# Altium PCB RCJ22_motherboard_2_final.PcbDoc (part 1 of 4) (continued)
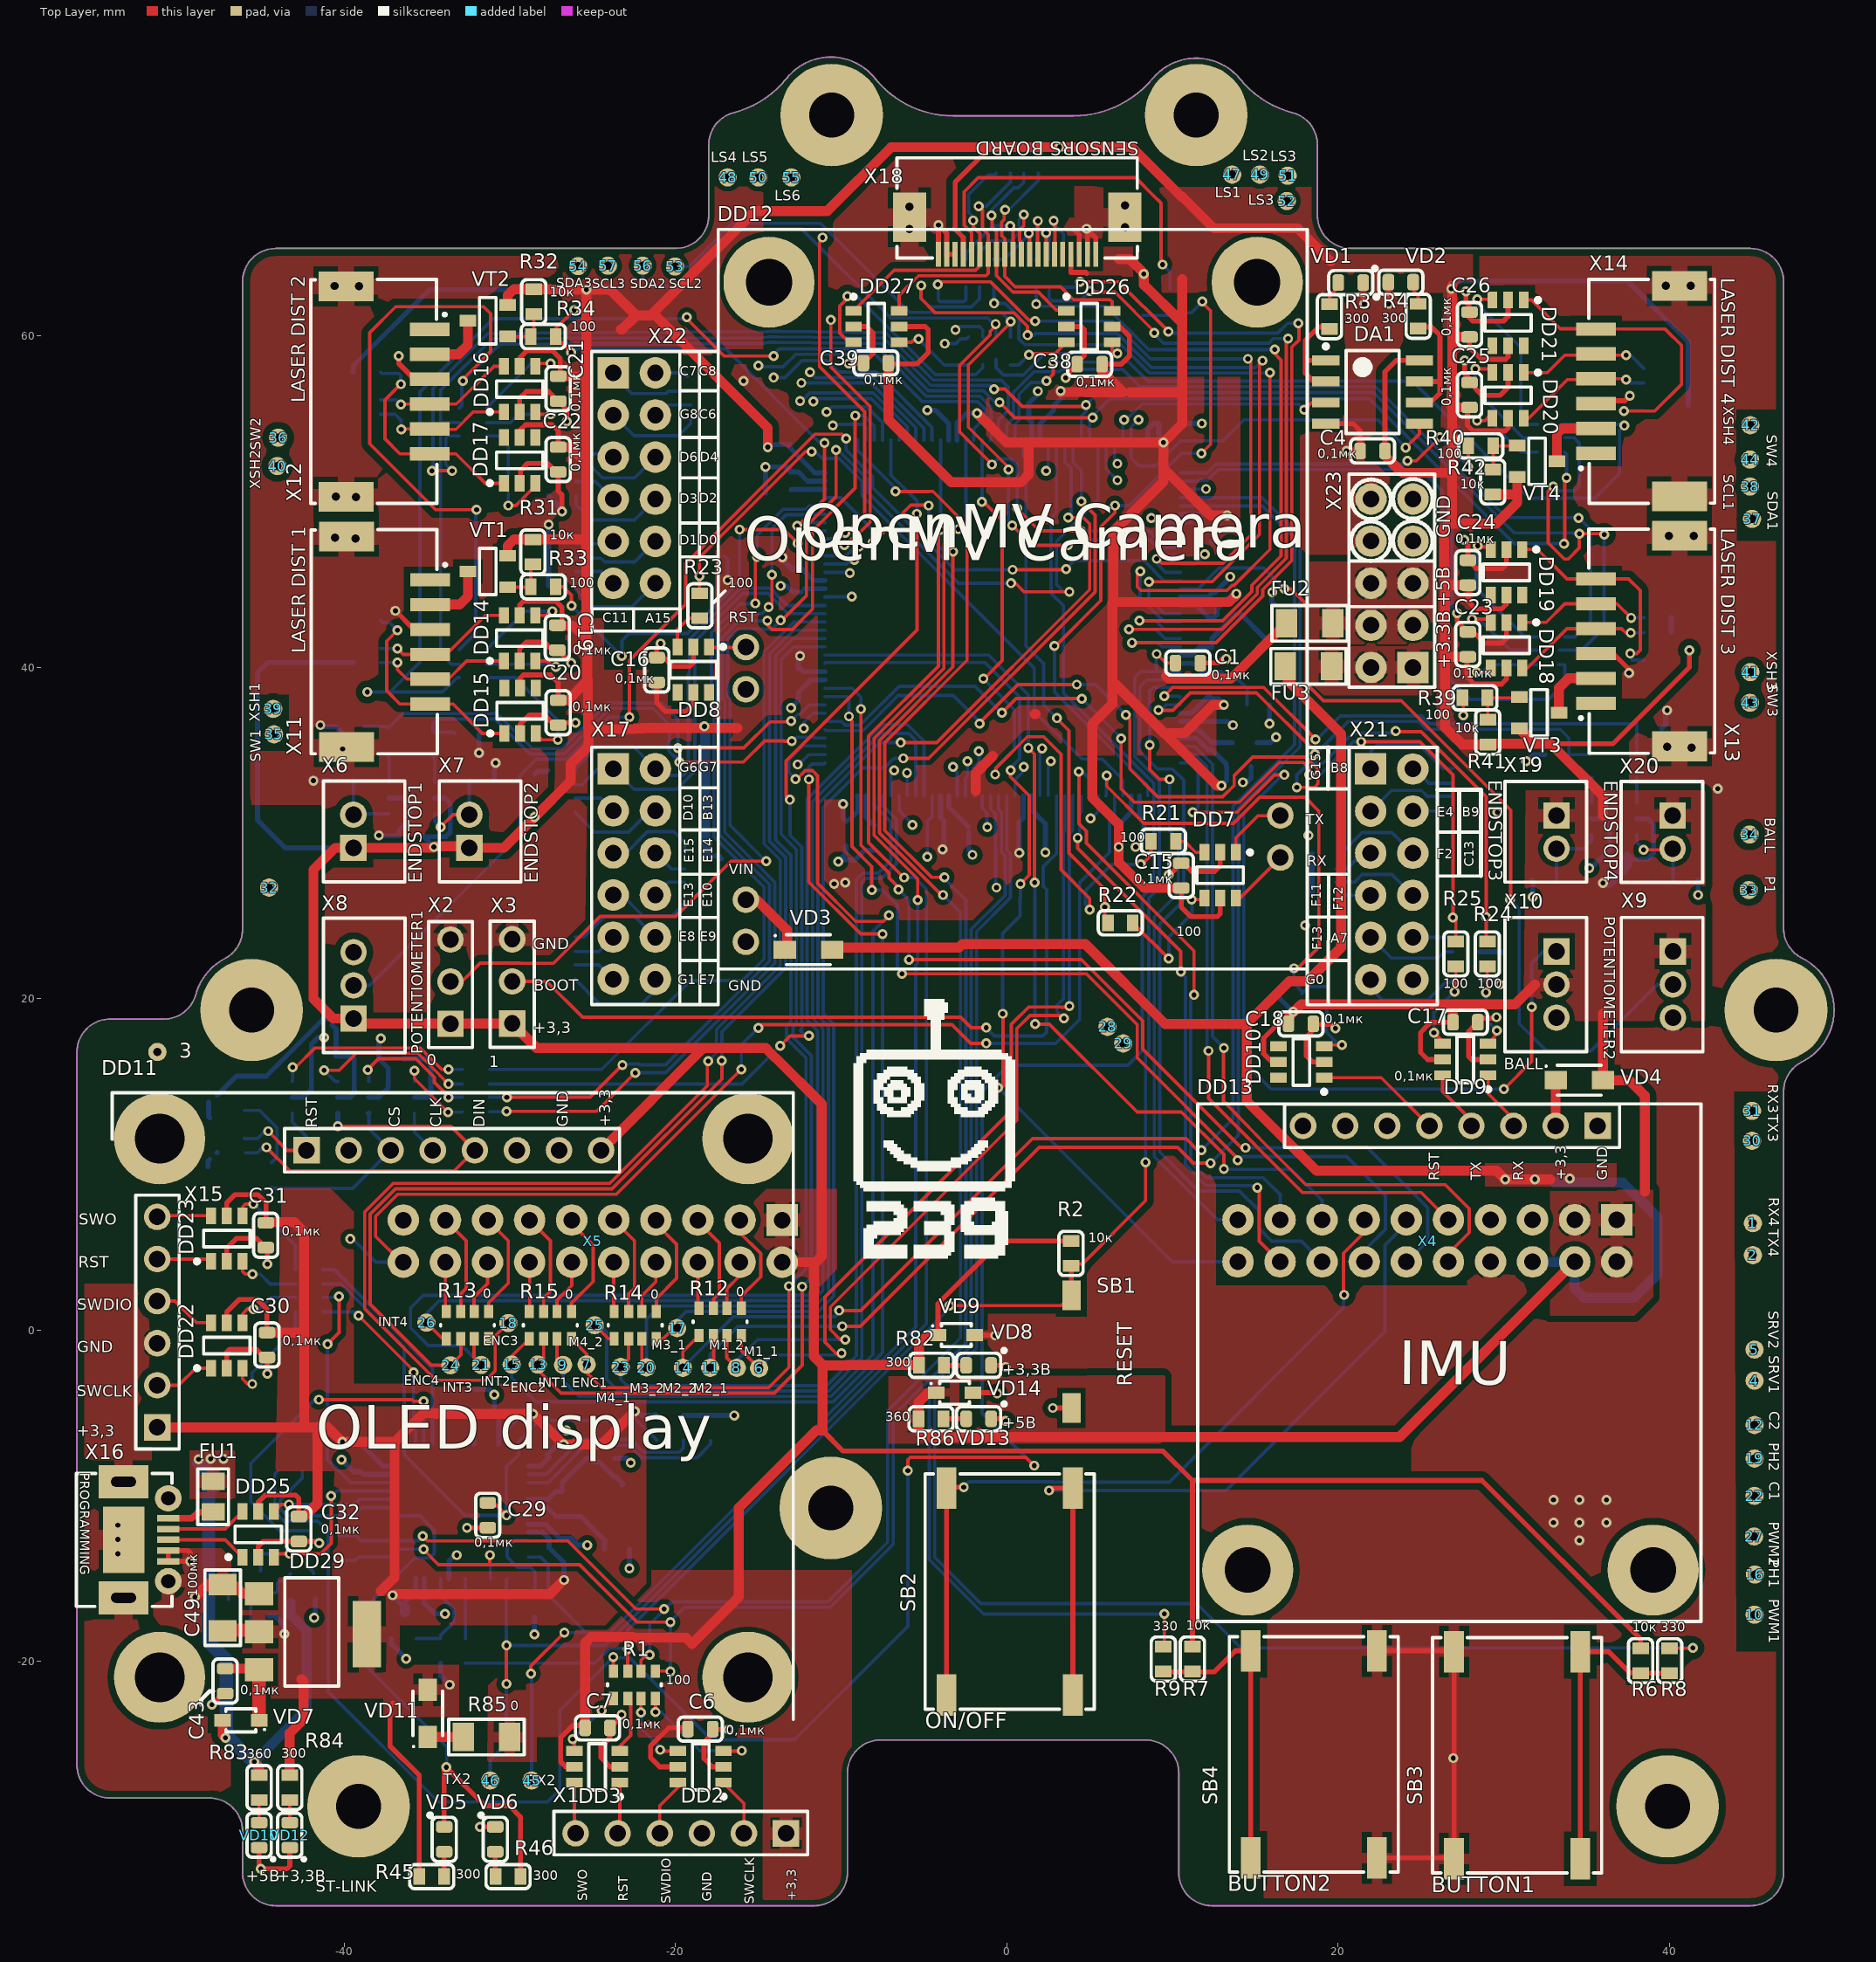
[diagram p0: Top Layer view]
## Components (designator, comment, footprint, x,y, rotation, side; value= is the part's Value field where it differs from the comment)
1 "RX" "0.5 X 1_ROUND" 45.025,6.45 r90 top
2 "TX" "0.5 X 1_ROUND" 45.025,4.525 r90 top
3 "SERVO3" "0.5 X 1_ROUND" -51.263,16.78 r90 top
4 "SERVO1" "0.5 X 1_ROUND" 45.125,-3.05 r90 top
5 "SERVO2" "0.5 X 1_ROUND" 45.125,-1.175 r90 top
6 "1_1" "0.5 X 1_ROUND" -14.95,-2.3 r270 top
7 "E1" "0.5 X 1_ROUND" -25.356,-2.075 r180 top
8 "1_2" "0.5 X 1_ROUND" -16.3,-2.275 r180 top
9 "E1_INT" "0.5 X 1_ROUND" -26.781,-2.1 r180 top
10 "PWM1" "0.5 X 1_ROUND" 45.125,-17.175 r0 top
11 "2_1" "0.5 X 1_ROUND" -17.9,-2.275 r180 top
12 "PWM2" "0.5 X 1_ROUND" 45.125,-5.725 r0 top
13 "E2" "0.5 X 1_ROUND" -28.306,-2.075 r180 top
14 "2_2" "0.5 X 1_ROUND" -19.55,-2.275 r180 top
15 "E2_INT" "0.5 X 1_ROUND" -29.881,-2.075 r180 top
16 "PH1" "0.5 X 1_ROUND" 45.15,-14.75 r90 top
17 "3_1" "0.5 X 1_ROUND" -19.9,0.125 r180 top
18 "E3" "0.5 X 1_ROUND" -30.09,0.425 r180 top
19 "PH2" "0.5 X 1_ROUND" 45.125,-7.75 r90 top
20 "3_2" "0.5 X 1_ROUND" -21.75,-2.25 r180 top
21 "E3_INT" "0.5 X 1_ROUND" -31.725,-2.1 r180 top
22 "CURRENT1" "0.5 X 1_ROUND" 45.125,-10 r90 top
23 "4_1" "0.5 X 1_ROUND" -23.3,-2.225 r180 top
24 "E4" "0.5 X 1_ROUND" -33.575,-2.125 r180 top
25 "4_2" "0.5 X 1_ROUND" -24.875,0.3 r180 top
26 "E4_INT" "0.5 X 1_ROUND" -35.025,0.45 r180 top
27 "CURRENT2" "0.5 X 1_ROUND" 45.1,-12.45 r90 top
28 "RX_CAMERA" "0.5 X 1_ROUND" 6.075,18.3 r0 top
29 "TX_CAMERA" "0.5 X 1_ROUND" 7.025,17.3 r0 top
30 "TX_GYRO" "0.5 X 1_ROUND" 44.975,11.425 r0 top
31 "RX_GYRO" "0.5 X 1_ROUND" 44.975,13.225 r0 top
32 "P1" "0.5 X 1_ROUND" -44.525,26.7 r0 top
33 "P2" "0.5 X 1_ROUND" 44.775,26.55 r0 top
34 "BALL" "0.5 X 1_ROUND" 44.825,29.9 r0 top
35 "SWITCH1" "0.5 X 1_ROUND" -44.225,35.95 r180 top
36 "SWITCH2" "0.5 X 1_ROUND" -43.975,53.849 r180 top
37 "SDA1" "0.5 X 1_ROUND" 44.975,48.944 r90 top
38 "SCL1" "0.5 X 1_ROUND" 44.85,50.9 r90 top
39 "XSH1" "0.5 X 1_ROUND" -44.273,37.483 r180 top
40 "XSH2" "0.5 X 1_ROUND" -44.025,52.135 r180 top
41 "XSH3" "0.5 X 1_ROUND" 44.875,39.7 r0 top
42 "XSH4" "0.5 X 1_ROUND" 44.875,54.6 r0 top
43 "SWITCH3" "0.5 X 1_ROUND" 44.85,37.85 r0 top
44 "SWITCH4" "0.5 X 1_ROUND" 44.85,52.525 r0 top
45 "RX_STLINK" "0.5 X 1_ROUND" -28.675,-27.175 r0 top
46 "TX_STLINK" "0.5 X 1_ROUND" -31.175,-27.175 r0 top
47 "LS_1" "0.5 X 1_ROUND" 13.6,69.722 r0 top
48 "LS_4" "0.5 X 1_ROUND" -16.85,69.55 r0 top
49 "LS_2" "0.5 X 1_ROUND" 15.27,69.722 r0 top
50 "LS_5" "0.5 X 1_ROUND" -15,69.55 r0 top
51 "LS_3" "0.5 X 1_ROUND" 16.949,69.65 r0 top
52 "PWM_L" "0.5 X 1_ROUND" 16.899,68.125 r0 top
53 "SCL2" "0.5 X 1_ROUND" -20.025,64.175 r0 top
54 "SDA3" "0.5 X 1_ROUND" -25.875,64.2 r0 top
55 "LS_6" "0.5 X 1_ROUND" -13,69.55 r0 top
56 "SDA2" "0.5 X 1_ROUND" -21.975,64.225 r0 top
57 "SCL3" "0.5 X 1_ROUND" -24.075,64.225 r0 top
C1 "0,1мк" C0603_A 10.925,40.25 r180 top
C2 "2,2мк" C0805 -8.15,29.5 r90 bottom
C3 "2,2мк" C0805 -13.9,50.45 r0 bottom
C4 "0,1мк" C0603_A 22.075,53.05 r0 top
C5 "0,1мк" C0603_A 14.35,35.45 r180 bottom
C6 "0,1мк" C0603_A -18.5,-24.075 r180 top
C7 "0,1мк" C0603_A -24.7,-24 r180 top
C8 "12" C0805 15.025,43.3 r180 bottom
C9 "12" C0805 15.1,37.625 r180 bottom
C10 "0,1мк" C0603_A -35.925,29.825 r0 bottom
C11 "0,1мк" C0603_A -39.45,36.35 r0 bottom
C12 "0,1мк" C0603_A -32.55,36 r180 bottom
C13 "0,1мк" C0603_A -41.225,16.525 r0 bottom
C14 "0,1мк" C0603_A -37.15,16.375 r0 bottom
C15 "0,1мк" C0603_A 10.525,27.425 r270 top
C16 "0,1мк" C0603_A -21.125,39.825 r270 top
C17 "0,1мк" C0603_A 27.675,18.575 r180 top
C18 "0,1мк" C0603_A 17.75,18.475 r180 top
C19 "0,1мк" C0603_A -27.125,41.775 r90 top
C20 "0,1мк" C0603_A -27.075,37.25 r90 top
C21 "0,1мк" C0603_A -27.075,56.8 r90 top
C22 "0,1мк" C0603_A -27.075,52.525 r90 top
C23 "0,1мк" C0603_A 27.825,41.375 r270 top
C24 "0,1мк" C0603_A 27.825,45.7 r270 top
C25 "0,1мк" C0603_A 27.925,56.425 r270 top
C26 "0,1мк" C0603_A 27.925,60.675 r270 top
C27 "20" C0603_A -24.4,-7.725 r0 bottom
C28 "20" C0603_A -23.525,-13.225 r0 bottom
C29 "0,1мк" C0603_A -31.325,-11.175 r90 top
C30 "0,1мк" C0603_A -44.65,-0.9 r90 top
C31 "0,1мк" C0603_A -44.721,5.725 r90 top
C32 "0,1мк" C0603_A -42.725,-12 r90 top
C33 "0,1мк" C0603_A -35.575,-17.025 r180 bottom
C34 "0,1мк" C0603_A -39,-7.8 r90 bottom
C35 "0,1мк" C0603_A -27.725,-6.775 r270 bottom
C36 "0,1мк" C0603_A -26.8,-13.55 r270 bottom
C37 "0,1мк" C0603_A -30.075,-4.875 r0 bottom
C38 "0,1мк" C0603_A 4.996,58.275 r0 top
C39 "0,1мк" C0603_A -7.9,58.35 r0 top
C40 "0,1мк" C0603_A 33.225,34.725 r0 bottom
C41 "0,1мк" C0603_A 38.825,36.525 r180 bottom
C42 "0,1мк" C0603_A 36.675,28.55 r0 bottom
C43 "0,1мк" C0603_A -47.175,-21.175 r90 top
C44 "0,1мк" C0603_A -13.075,52.675 r90 bottom
C45 "0,1мк" C0603_A -12.425,45.275 r90 bottom
C46 "0,1мк" C0603_A -12.58,39.175 r90 bottom
C47 "0,1мк" C0603_A -9.8,29.95 r90 bottom
C48 "0,1мк" C0603_A -3.05,30.052 r180 bottom
C49 "100мк" C1206 -47.325,-16.75 r270 top
C50 "0,1мк" C0603_A 1.525,29.95 r180 bottom
C51 "0,1мк" C0603_A 7.525,30.2 r180 bottom
C52 "0,1мк" C0603_A 12.2,37.45 r90 bottom
C53 "0,1мк" C0603_A 14,34 r180 bottom
C54 "0,1мк" C0603_A 12.325,48.33 r90 bottom
C55 "0,1мк" C0603_A 9.925,54.7 r180 bottom
C56 "0,1мк" C0603_A 2.075,55.775 r0 bottom
C57 "0,1мк" C0603_A -3.275,55.215 r0 bottom
C58 "0,1мк" C0603_A 12.425,43.75 r270 bottom
DA1 "LMV358" SOIC8 22.075,56.6 r0 top
DD1 "STM32F407ZGT6" LQFP-144 -0.25,42.975 r180 bottom
DD2 "TPD2S017" SOT-23 -18.475,-26.35 r180 top
DD3 "TPD2S017" SOT-23 -24.725,-26.35 r180 top
DD4 "TPD2S017" SOT-23 -35.9,32.1 r0 bottom
DD5 "TPD2S017" SOT-23 -41.75,14.05 r0 bottom
DD6 "TPD2S017" SOT-23 -37.125,14.05 r0 bottom
DD7 "TPD2S017" SOT-23 12.875,27.45 r270 top
DD8 "TPD2S017" SOT-23 -18.925,39.85 r270 top
DD9 "TPD2S017" SOT-23 27.675,16.325 r180 top
DD10 "TPD2S017" SOT-23 17.775,16.175 r180 top
DD11 "OLED module" OLED_MODULE -42.265,10.85 r0 top locked
DD12 "OpenMV" CAMERA_CONNECTOR 0.38,43.265 r270 top locked
DD13 "SparkFun 9DoF IMU" SparkFun 26.77,12.325 r180 top locked
DD14 "TPD2S017" SOT-23 -29.4,41.75 r90 top
DD15 "TPD2S017" SOT-23 -29.375,37.375 r90 top
DD16 "TPD2S017" SOT-23 -29.4,56.775 r90 top
DD17 "TPD2S017" SOT-23 -29.4,52.475 r90 top
DD18 "TPD2S017" SOT-23 30.15,41.325 r270 top
DD19 "TPD2S017" SOT-23 30.15,45.725 r270 top
DD20 "TPD2S017" SOT-23 30.25,56.4 r270 top
DD21 "TPD2S017" SOT-23 30.25,60.775 r270 top
DD22 "TPD2S017" SOT-23 -47.075,-0.925 r90 top
DD23 "TPD2S017" SOT-23 -47.075,5.525 r90 top
DD24 "STM32F103CB" LQFP48_H -32.915,-10.95 r180 bottom locked
DD25 "TPD2S017" SOT-23 -45.175,-12.325 r90 top
DD26 "TPD2S017" SOT-23 4.975,60.55 r0 top
DD27 "TPD2S017" SOT-23 -7.875,60.55 r0 top
DD28 "TPD2S017" SOT-23 36.65,30.85 r0 bottom
DD29 "LM1117" SOT-223 -45.125,-18.2 r270 top
FU1 "*" R0805 -47.9,-10.05 r270 top
FU2 "*" 1206_fuse 18.275,42.65 r180 top
FU3 "*" 1206_fuse 18.206,40.05 r180 top
R1 "100" R0603X4 -22.475,-21.4 r180 top
R2 "10к" R0603 3.875,4.625 r90 top
R3 "300" R0603 19.475,61.15 r270 top
R4 "300" R0603 24.825,61.175 r270 top
R5 "1М" R0805 12.3,40.475 r90 bottom
R6 "10к" R0603 38.25,-19.95 r90 top
R7 "10к" R0603 11.2,-19.85 r90 top
R8 "330" R0603 40,-19.95 r90 top
R9 "330" R0603 9.45,-19.85 r90 top
R10 "10к" R0603 -40.2,33.175 r0 bottom
R11 "10к" R0603 -31.675,33.175 r180 bottom
R12 "0" R0603X4 -17.3,0.5 r180 top
R13 "0" R0603X4 -32.55,0.3 r180 top
R14 "0" R0603X4 -22.425,0.3 r180 top
R15 "0" R0603X4 -27.55,0.3 r180 top
R16 "100" R0603 -37.325,35.325 r90 bottom
R17 "100" R0603 -34.625,35.325 r90 bottom
R18 "10к" R0603 -17.8,46.7 r0 bottom
R19 "10к" R0603 17.05,20.3 r180 bottom
R20 "100" R0603X4 -32.025,14.45 r270 bottom
R21 "100" R0603 9.45,29.5 r0 top
R22 "100" R0603 6.85,24.575 r0 top
R23 "100" R0603 -18.525,43.7 r270 top
R24 "100" R0603 29,22.7 r270 top
R25 "100" R0603 27.1,22.7 r270 top
R26 "100" R0603 19.325,19.975 r270 bottom
R27 "0" R0603 -44.375,9.35 r90 bottom
R28 "10к" R0603X4 -46.525,12 r270 bottom
R29 "10к" R0603X4 -38.625,41.55 r270 bottom
R30 "10к" R0603X4 -38.625,56.525 r270 bottom
R31 "10к" R0603 -28.6,46.95 r90 top
R32 "10к" R0603 -28.55,62.05 r90 top
R33 "100" R0603 -27.975,44.85 r0 top
R34 "100" R0603 -27.975,59.95 r0 top
R35 "100" R0603X4 -32.225,39.775 r270 bottom
R36 "100" R0603X4 -32.225,54.35 r270 bottom
R37 "100" R0603X4 32.85,41.425 r90 bottom
R38 "100" R0603X4 32.85,54.25 r90 bottom
R39 "100" R0603 28.25,38.15 r180 top
R40 "100" R0603 28.6,53.35 r180 top
R41 "10к" R0603 29.025,36.075 r270 top
R42 "10к" R0603 29.325,51.175 r270 top
R43 "10к" R0603X4 39.275,41.7 r90 bottom
R44 "10к" R0603X4 39.275,56.75 r90 bottom
R45 "300" R0603 -34.705,-32.975 r180 top
R46 "300" R0603 -30.1,-32.975 r0 top
R47 "100" R0603X4 -42.1,2.375 r90 bottom
R48 "0" R0603 -43.275,-8.525 r0 bottom
R49 "100к" R0603 -21.125,-5.9 r90 bottom
R50 "10к" R0603 -17.875,-5.925 r270 bottom
R51 "10к" R0603 -19.525,-5.9 r270 bottom
R52 "100к" R0603 -32.125,-4.325 r270 bottom
R53 "4,7к" R0603 -28.476,-16.6 r270 bottom
R54 "1М" R0805 -26.475,-10.5 r90 bottom
R55 "100" R0603 -40.175,-13.1 r270 bottom
R56 "0" R0603 -34.175,-19.35 r90 bottom
R57 "0" R0603 -36.4,-18.625 r180 bottom
R58 "1,5к" R0805 -45.967,-14.525 r0 bottom
R59 "0" R0603 -32.675,-19.35 r270 bottom
R60 "10к" R0603 -43.225,-15.7 r270 bottom
R61 "39к" R0603 -41.751,-15.7 r90 bottom
R62 "100" R0603 -42.225,-12.85 r90 bottom
R63 "10к" R0603X4 0.6,70.45 r180 bottom
R64 "10к" R0603X4 -26.875,32.5 r90 bottom
R65 "100" R0603X4 2.15,63.75 r180 bottom
R66 "100" R0603X4 -2.05,63.775 r180 bottom
R67 "10к" R0603X4 -18.825,27.425 r270 bottom
R68 "10к" R0603X4 -26.875,22.44 r90 bottom
R69 "0" R0603 9.85,62.05 r90 bottom
R70 "100" R0603X4 -1.05,59.1 r0 bottom
R71 "10к" R0603 8.25,62.025 r90 bottom
R72 "100" R0603 35.3,34.1 r90 bottom
R73 "100" R0603 38.025,34.1 r90 bottom
R74 "10к" R0603X4 27.725,22.425 r270 bottom
R75 "10к" R0603X4 -26.825,46.175 r90 bottom
R76 "10к" R0603X4 19.25,27.485 r90 bottom
R77 "10к" R0603X4 -26.825,51.6 r90 bottom
R78 "10к" R0603X4 27.725,32.6 r270 bottom
R79 "10к" R0603X4 -18.25,56.225 r270 bottom
R80 "10к" R0603 32.425,27.15 r0 bottom
R81 "10к" R0603 40.95,27.15 r180 bottom
R82 "300" R0603 -4.55,-2.125 r180 top
R83 "360" R0603 -45.125,-27.6 r90 top
R84 "300" R0603 -43.275,-27.6 r90 top
R85 "0" R1206 -31.4,-24.55 r0 top
R86 "360" R0603 -4.575,-5.35 r180 top
SB1 "2,5*3*6mm H DIP" "2.5*3*6mm button" 2.825,-1.3 r270 top
SB2 "5GSH935+1SS09-10.4" 5GSH935+1SS09-10.4 0.175,-15.775 r90 top
SB3 "5GSH935+1SS09-10.4" 5GSH935+1SS09-10.4 30.8,-25.65 r90 top
SB4 "5GSH935+1SS09-10.4" 5GSH935+1SS09-10.4 18.525,-25.6 r270 top
VD1 "" LED0603_BLUE 20.757,63.2 r180 top
VD2 "" LED0603_GREEN 23.775,63.225 r0 top
VD3 "MBR2H100SFT3G" SODFL_498 -11.975,22.95 r0 top
VD4 "MBR2H100SFT3G" SODFL_498 34.55,15.075 r0 top
VD5 "GREEN" LED0603_BLUE -33.955,-30.725 r270 top
VD6 "BLUE" LED0603_BLUE -30.875,-30.725 r270 top
VD7 "BAT60JFILM" SOD-323 -46.225,-23.55 r180 top
VD8 "YELLOW" LED0603_YELLOW -1.7,-2.125 r180 top
VD9 "MM3Z3V3B" SOD-323 -3.05,-0.3 r0 top
VD10 "RED" LED0603_RED -45.125,-30.475 r90 top
VD11 "MBR2H100SFT3G" SODFL_498 -34.95,-23.125 r90 top
VD12 "RED" LED0603_RED -43.275,-30.475 r90 top
VD13 "YELLOW" LED0603_YELLOW -1.7,-5.35 r180 top
VD14 "MMSZ5231B-TP" SOD-323 -3.15,-3.775 r0 top
VT1 "IRLML2244TRPBF" SOT-23-3 -31.325,45.775 r180 top
VT2 "IRLML2244TRPBF" SOT-23-3 -31.325,60.9 r180 top
VT3 "IRLML2244TRPBF" SOT-23-3 32.125,37.25 r0 top
VT4 "IRLML2244TRPBF" SOT-23-3 32,52.425 r0 top
VT5 "9013" SOT-23-3 -45.775,-17.225 r0 bottom
X1 "PLS-6" PLS-6 -19.675,-30.35 r180 top
X2 "PLS-3" PLS-3 -33.575,21.025 r90 top
X3 "PLS-3" PLS-3 -29.85,21.04 r90 top
X4 "PBS-20" PBS-2-10 25.381,5.389 r180 top
X5 "PBS-20" PBS-2-10 -24.99,5.37 r180 top
X6 "JST PH2.0-2" PH2.0-2pin -39.425,30.1 r90 top
X7 "JST PH2.0-2" PH2.0-2pin -32.425,30.1 r90 top
X8 "JST PH2.0-3" PH2.0-3pin -39.425,20.8 r90 top
X9 "JST PH2.0-3" PH2.0-3pin 40.2,20.85 r270 top
X10 "JST PH2.0-3" PH2.0-3pin 33.175,20.85 r270 top
X11 "CLIK-Mate-6" CLIK-MATE_6V_1.5MM -37.325,41.525 r270 top
X12 "CLIK-Mate-6" CLIK-MATE_6V_1.5MM -37.35,56.625 r270 top
X13 "CLIK-Mate-6" CLIK-MATE_6V_1.5MM 38.075,41.575 r90 top
X14 "CLIK-Mate-6" CLIK-MATE_6V_1.5MM 38.075,56.65 r90 top
X15 "PLS-6" "PLS-6 - RA" -51.263,0.48 r90 top
X16 "Micro-USB" MICRO-USB_ANGLE -50.608,-12.65 r270 top
X17 "PLS-12" PLS-2-6 -22.48,22.44 r270 top
X18 "FPC-20" FPC_14 0.625,64.91 r180 top
X19 "JST PH2.0-2" PH2.0-2pin 33.162,30.05 r270 top
X20 "JST PH2.0-2" PH2.0-2pin 40.165,30.045 r270 top
X21 "PLS-12" PLS-2-6 23.23,22.425 r270 top
X22 "PLS-12" PLS-2-6 -22.48,46.325 r270 top
X23 "PLS-10" PLS-2-5 23.245,51.415 r90 top
Z1 "*" KX-7T 14.825,40.45 r90 bottom
Z2 "*" KX-7T -24.1,-10.5 r90 bottom

## Footprints (in the part's own frame and the unit in brackets; to place one, negate y for a bottom-side part, rotate by r counter-clockwise, add the part's x,y. Pads: shape width x height; smd on the part's side, far side on the other; paste and mask are expansions set on the pad)
"0.5 X 1_ROUND" [mm]
  round 1.1 hole 0.5: 1(0,0)
"2.5*3*6mm button" [mm] "button"
  rect 1.8x1.1 smd: 1(-3.4,1.075) 2(3.4,1.075)
5GSH935+1SS09-10.4 [mm]
  rect 2.5x1.2 smd: 1(-6.25,3.81) 1(6.25,3.81) 2(-6.25,-3.81) 2(6.25,-3.81)
  silkscreen extent -7.1,-5.1 7.1,5.1, body extent -6.95,-4.97 7.05,5.03, height 14.49
1206_fuse [mm]
  rect 1.3x1.7 smd: 1(-1.4,0) 2(1.4,0)
  silkscreen extent -2.27,-1.07 2.27,1.07, body extent -1.15,-0.75 1.15,0.75, height 0.86
C0603_A [mm]
  rrect50% 0.7x1 smd: 1(-0.75,0) 2(0.75,0)
  Top Layer pour cut-out: -0.4,0.5 0.4,0.5 0.4,-0.5 -0.4,-0.5
  silkscreen extent -1.33,-0.73 1.33,0.73, body extent -0.8,-0.4 0.8,0.4, height 0.9
C0805 [mm]
  rrect50% 1.05x1.4 smd: 1(-0.925,0) 2(0.925,0)
  silkscreen extent -1.65,-0.9 1.65,0.9, body extent -1,-0.62 1,0.63, height 0.6
C1206 [mm]
  rect 1.3x1.7 smd: 1(-1.4,0) 2(1.4,0)
  silkscreen extent -2.27,-1.07 2.27,1.07, body extent -1.6,-0.87 1.6,0.87, height 1.7
CAMERA_CONNECTOR [mm]
  round 1.6 hole 1: 1(12.215,16.129) 2(14.755,16.129) 3(2.055,-16.129) 5(17.295,-16.129) 6(19.835,-16.129) ""(4.595,-16.129)
  round 5.5 hole 2.8: ""(-19.96,14.73) ""(-19.96,-14.73)
  silkscreen extent -23.15,-17.8 21.47,17.75, body extent -23.02,-17.84 26.92,17.72, height 14.48
CLIK-MATE_6V_1.5MM [mm] "2132250610"
  rect 1.8x3.3 smd: 0(-6.35,-2.525) 0(6.35,-2.525)
  rect 0.8x2.4 smd: 1(-3.75,2.525) 2(-2.25,2.525) 3(-0.75,2.525) 4(0.75,2.525) 5(2.25,2.525) 6(3.75,2.525)
  silkscreen extent -6.78,-4.65 6.75,3.48, body extent -6.65,-4.55 6.65,2.85, height 7.38
FPC_14 [mm]
  rect 2x3 smd: 0(-6.5,-2.24) 0(6.5,-2.24)
  rect 0.3x1.48 smd: 1(-4.75,0) 2(-4.25,0) 3(-3.75,0) 4(-3.25,0) 5(-2.75,0) 6(-2.25,0) 7(-1.75,0) 8(-1.25,0) 9(-0.75,0) 10(-0.25,0) 11(0.25,0) 12(0.75,0) 13(1.25,0) 14(1.75,0) 15(2.25,0) 16(2.75,0) 17(3.25,0) 18(3.75,0) 19(4.25,0) 20(4.75,0)
  silkscreen extent -7.26,-5.82 7.25,0.23, body extent -7.15,-5.72 7.15,0.13, height 2.11
KX-7T [mm]
  rect 1.3x1.1 smd: 0(-1.15,0.9) 0(1.15,-0.9) 1(1.15,0.9) 2(-1.15,-0.9)
  Top Layer pour cut-out: -1.8,1.45 -1.8,-1.45 1.8,-1.45 1.8,1.45
  silkscreen extent -1.68,-1.33 1.7,1.33, body extent -1.61,-1.25 1.61,1.25, height 0.81
LED0603_BLUE [mm]
  rrect50% 0.7x1 smd: 1(-0.75,0) 2(0.75,0)
  Top Layer pour cut-out: -0.4,0.5 0.4,0.5 0.4,-0.5 -0.4,-0.5
  silkscreen extent -1.56,-0.96 1.33,0.73, body extent -0.8,-0.4 0.8,0.4, height 0.6
LED0603_GREEN [mm]
  rrect50% 0.7x1 smd: 1(-0.75,0) 2(0.75,0)
  Top Layer pour cut-out: -0.4,0.5 0.4,0.5 0.4,-0.5 -0.4,-0.5
  silkscreen extent -1.58,-0.99 1.33,0.73, body extent -0.8,-0.4 0.8,0.4, height 0.6
LED0603_RED [mm]
  rrect50% 0.7x1 smd: 1(-0.75,0) 2(0.75,0)
  Top Layer pour cut-out: -0.4,0.5 0.4,0.5 0.4,-0.5 -0.4,-0.5
  silkscreen extent -1.52,-0.92 1.33,0.73, body extent -0.8,-0.4 0.8,0.4, height 0.6
LED0603_YELLOW [mm]
  rrect50% 0.7x1 smd: 1(-0.75,0) 2(0.75,0)
  Top Layer pour cut-out: -0.4,0.5 0.4,0.5 0.4,-0.5 -0.4,-0.5
  silkscreen extent -1.63,-0.99 1.33,0.73, body extent -0.81,-0.4 0.81,0.4, height 0.6
LQFP48_H [mm]
  oval 1.8x0.3 smd: 1(-4.05,2.75) 2(-4.05,2.25) 3(-4.05,1.75) 4(-4.05,1.25) 5(-4.05,0.75) 6(-4.05,0.25) 7(-4.05,-0.25) 8(-4.05,-0.75) 9(-4.05,-1.25) 10(-4.05,-1.75) 11(-4.05,-2.25) 12(-4.05,-2.75) 25(4.05,-2.75) 26(4.05,-2.25) 27(4.05,-1.75) 28(4.05,-1.25) 29(4.05,-0.75) 30(4.05,-0.25) 31(4.05,0.25) 32(4.05,0.75) 33(4.05,1.25) 34(4.05,1.75) 35(4.05,2.25) 36(4.05,2.75)
  oval 0.3x1.8 smd: 13(-2.75,-4.05) 14(-2.25,-4.05) 15(-1.75,-4.05) 16(-1.25,-4.05) 17(-0.75,-4.05) 18(-0.25,-4.05) 19(0.25,-4.05) 20(0.75,-4.05) 21(1.25,-4.05) 22(1.75,-4.05) 23(2.25,-4.05) 24(2.75,-4.05) 37(2.75,4.05) 38(2.25,4.05) 39(1.75,4.05) 40(1.25,4.05) 41(0.75,4.05) 42(0.25,4.05) 43(-0.25,4.05) 44(-0.75,4.05) 45(-1.25,4.05) 46(-1.75,4.05) 47(-2.25,4.05) 48(-2.75,4.05)
  silkscreen extent -4.18,-2.75 2.75,3.57, body extent -4.51,-4.51 4.51,4.51, height 1.46
LQFP-144 [mm] "TSQFP, 144-Leads, Body 20,00x20,00mm, Pitch 0,50mm, IPC Medium Density"
  oval 1.45x0.3 smd: 1(-10.725,8.75) 2(-10.725,8.25) 3(-10.725,7.75) 4(-10.725,7.25) 5(-10.725,6.75) 6(-10.725,6.25) 7(-10.725,5.75) 8(-10.725,5.25) 9(-10.725,4.75) 10(-10.725,4.25) 11(-10.725,3.75) 12(-10.725,3.25) 13(-10.725,2.75) 14(-10.725,2.25) 15(-10.725,1.75) 16(-10.725,1.25) 17(-10.725,0.75) 18(-10.725,0.25) 19(-10.725,-0.25) 20(-10.725,-0.75) 21(-10.725,-1.25) 22(-10.725,-1.75) 23(-10.725,-2.25) 24(-10.725,-2.75) 25(-10.725,-3.25) 26(-10.725,-3.75) 27(-10.725,-4.25) 28(-10.725,-4.75) 29(-10.725,-5.25) 30(-10.725,-5.75) 31(-10.725,-6.25) 32(-10.725,-6.75) 33(-10.725,-7.25) 34(-10.725,-7.75) 35(-10.725,-8.25) 36(-10.725,-8.75) 73(10.725,-8.75) 74(10.725,-8.25) 75(10.725,-7.75) 76(10.725,-7.25) 77(10.725,-6.75) 78(10.725,-6.25) 79(10.725,-5.75) 80(10.725,-5.25) 81(10.725,-4.75) 82(10.725,-4.25) 83(10.725,-3.75) 84(10.725,-3.25) 85(10.725,-2.75) 86(10.725,-2.25) 87(10.725,-1.75) 88(10.725,-1.25) 89(10.725,-0.75) 90(10.725,-0.25) 91(10.725,0.25) 92(10.725,0.75) 93(10.725,1.25) 94(10.725,1.75) 95(10.725,2.25) 96(10.725,2.75) 97(10.725,3.25) 98(10.725,3.75) 99(10.725,4.25) 100(10.725,4.75) 101(10.725,5.25) 102(10.725,5.75) 103(10.725,6.25) 104(10.725,6.75) 105(10.725,7.25) 106(10.725,7.75) 107(10.725,8.25) 108(10.725,8.75)
  oval 0.3x1.45 smd: 37(-8.75,-10.725) 38(-8.25,-10.725) 39(-7.75,-10.725) 40(-7.25,-10.725) 41(-6.75,-10.725) 42(-6.25,-10.725) 43(-5.75,-10.725) 44(-5.25,-10.725) 45(-4.75,-10.725) 46(-4.25,-10.725) 47(-3.75,-10.725) 48(-3.25,-10.725) 49(-2.75,-10.725) 50(-2.25,-10.725) 51(-1.75,-10.725) 52(-1.25,-10.725) 53(-0.75,-10.725) 54(-0.25,-10.725) 55(0.25,-10.725) 56(0.75,-10.725) 57(1.25,-10.725) 58(1.75,-10.725) 59(2.25,-10.725) 60(2.75,-10.725) 61(3.25,-10.725) 62(3.75,-10.725) 63(4.25,-10.725) 64(4.75,-10.725) 65(5.25,-10.725) 66(5.75,-10.725) 67(6.25,-10.725) 68(6.75,-10.725) 69(7.25,-10.725) 70(7.75,-10.725) 71(8.25,-10.725) 72(8.75,-10.725) 109(8.75,10.725) 110(8.25,10.725) 111(7.75,10.725) 112(7.25,10.725) 113(6.75,10.725) 114(6.25,10.725) 115(5.75,10.725) 116(5.25,10.725) 117(4.75,10.725) 118(4.25,10.725) 119(3.75,10.725) 120(3.25,10.725) 121(2.75,10.725) 122(2.25,10.725) 123(1.75,10.725) 124(1.25,10.725) 125(0.75,10.725) 126(0.25,10.725) 127(-0.25,10.725) 128(-0.75,10.725) 129(-1.25,10.725) 130(-1.75,10.725) 131(-2.25,10.725) 132(-2.75,10.725) 133(-3.25,10.725) 134(-3.75,10.725) 135(-4.25,10.725) 136(-4.75,10.725) 137(-5.25,10.725) 138(-5.75,10.725) 139(-6.25,10.725) 140(-6.75,10.725) 141(-7.25,10.725) 142(-7.75,10.725) 143(-8.25,10.725) 144(-8.75,10.725)
  silkscreen extent -10.85,-9.6 9.6,9.6, body extent -11,-11 11,11, height 1.6
MICRO-USB_ANGLE [mm]
  rect 2x3 smd: 0(-3.5,-2.7) 0(3.5,-2.7)
  rect 4x2.5 smd: 0(0,-2.675)
  rect 0.4x1.35 smd: 1(-1.3,0) 2(-0.65,0) 3(0,0) 4(0.65,0) 5(1.3,0)
  oval 0.6x1.5 hole 0.6 slot 1.5 at 90 deg: ""(-3.5,-2.7) ""(3.5,-2.7)
  rect 2x3 smd far side: ""(-3.5,-2.7) ""(3.5,-2.7)
  round 1.6 hole 0.85: ""(-2.5,0) ""(2.5,0)
  silkscreen extent -4,-5.55 4.03,0.23, body extent -4.12,-5.31 4.08,0.09, height 2.68
OLED_MODULE [mm] "1.3 inch"
  round 1.6 hole 1: 1(17.78,0) 2(15.24,0) 4(10.16,0) 5(7.62,0) 6(5.08,0) 7(2.54,0) 8(12.7,0)
  rect 1.6x1.6 hole 1: 3(0,0)
  round 5.5 hole 3: ""(-8.86,-31.8) ""(-8.86,0.7) ""(26.64,-31.8) ""(26.64,0.7)
  silkscreen extent -11.72,-34.33 29.38,3.47, body extent -12.37,-34.78 30.05,3.72, height 15.23
PBS-2-10 [mm]
  rect 1.9x1.9 hole 1: 1(-11.43,-1.27)
  round 1.9 hole 1: 2(-11.43,1.27) 3(-8.89,-1.27) 4(-8.89,1.27) 5(-6.35,-1.27) 6(-6.35,1.27) 7(-3.81,-1.27) 8(-3.81,1.27) 9(-1.27,-1.27) 10(-1.27,1.27) 11(1.27,-1.27) 12(1.27,1.27) 13(3.81,-1.27) 14(3.81,1.27) 15(6.35,-1.27) 16(6.35,1.27) 17(8.89,-1.27) 18(8.89,1.27) 19(11.43,-1.27) 20(11.43,1.27)
  body extent -12.73,-2.57 12.67,2.51, height 3.3
PH2.0-2pin [mm]
  rect 1.6x1.6 hole 1: 1(-1,0.012)
  round 1.6 hole 1: 2(1,0.012)
  silkscreen extent -3.05,-3.1 3.03,1.83, body extent -2.93,-2.97 2.93,1.7, height 5.89
PH2.0-3pin [mm]
  rect 1.6x1.6 hole 1: 1(-2,0)
  round 1.6 hole 1: 2(0,0) 3(2,0)
  silkscreen extent -4.05,-3.11 4.05,1.81, body extent -3.93,-2.99 3.93,1.69, height 5.89
PLS-2-5 [mm]
  rect 1.9x1.9 hole 1: 1(-11.43,-1.27)
  round 1.9 hole 1: 2(-11.43,1.27) 3(-8.89,-1.27) 4(-8.89,1.27) 5(-6.35,-1.27) 6(-6.35,1.27) 7(-3.81,-1.27) 8(-3.81,1.27) 9(-1.27,-1.27) 10(-1.27,1.27)
  silkscreen extent -12.62,-2.58 0.23,2.6, body extent -12.73,-2.59 -0.03,2.49, height 9.2
PLS-2-6 [mm]
  rect 1.9x1.9 hole 1: 1(-11.43,-1.27)
  round 1.9 hole 1: 2(-11.43,1.27) 3(-8.89,-1.27) 4(-8.89,1.27) 5(-6.35,-1.27) 6(-6.35,1.27) 7(-3.81,-1.27) 8(-3.81,1.27) 9(-1.27,-1.27) 10(-1.27,1.27) 11(1.27,-1.27) 12(1.27,1.27)
  silkscreen extent -12.73,-2.58 2.8,2.75, body extent -12.6,-2.46 2.64,2.62, height 9.2
PLS-3 [mm]
  rect 1.6x1.6 hole 1: 1(-2.54,0)
  round 1.6 hole 1: 2(0,0) 3(2.54,0)
  silkscreen extent -3.98,-1.33 3.62,1.33, body extent -3.88,-1.3 3.52,1.24, height 8.54
PLS-6 [mm]
  rect 1.6x1.6 hole 1: 1(-6.35,0.012)
  round 1.6 hole 1: 2(-3.81,0.012) 3(-1.27,0.012) 4(1.27,0.012) 5(3.81,0.012) 6(6.35,0.012)
  silkscreen extent -7.66,-1.31 7.66,1.31, body extent -7.62,-1.24 7.62,1.3, height 8.54
"PLS-6 - RA" [mm]
  rect 1.6x1.6 hole 1: 1(-6.35,0.012)
  round 1.6 hole 1: 2(-3.81,0.012) 3(-1.27,0.012) 4(1.27,0.012) 5(3.81,0.012) 6(6.35,0.012)
  silkscreen extent -7.66,-1.31 7.66,1.31
R0603 [mm]
  rect 0.7x1 smd: 1(-0.75,0) 2(0.75,0)
  Top Layer pour cut-out: -0.4,0.5 0.4,0.5 0.4,-0.5 -0.4,-0.5
  silkscreen extent -1.33,-0.73 1.33,0.73, body extent -0.8,-0.43 0.8,0.43, height 0.48
R0603X4 [mm]
  rect 0.55x0.8 smd: 1(-1.275,-0.825) 2(-0.4,-0.825) 3(0.4,-0.825) 4(1.275,-0.825) 5(1.275,0.825) 6(0.4,0.825) 7(-0.4,0.825) 8(-1.275,0.825)
  Top Layer pour cut-out: -1.647,0.325 -1.642,0.32 1.645,0.32 1.645,-0.328 1.64,-0.323 -1.65,-0.323
  silkscreen extent -1.63,-0.05 1.63,0.05, body extent -1.6,-0.8 1.6,0.8, height 0.5
R0805 [mm]
  rect 1.05x1.4 smd: 1(-0.925,0) 2(0.925,0)
  silkscreen extent -1.68,-0.92 1.68,0.92, body extent -1,-0.62 1,0.63, height 0.6
R1206 [mm]
  rect 1.3x1.7 smd: 1(-1.4,0) 2(1.4,0)
  silkscreen extent -2.27,-1.07 2.27,1.07, body extent -1.6,-0.83 1.6,0.83, height 0.53
SOD-323 [mm] "SODFL, 2-Leads, Body 1,25x2,50mm, IPC Medium Density"
  rect 1x0.75 smd: 1(-1.1,0) 2(1.1,0)
  silkscreen extent -1.48,-0.7 0.9,0.7, body extent -1.25,-0.67 1.25,0.68, height 1
SODFL_498 [mm] "SODFL, 2-Leads, Body 1,65x3,60mm, IPC Medium Density"
  rect 1.35x1.1 smd: 1(-1.425,0) 2(1.425,0)
  silkscreen extent -2.05,-0.9 1.33,0.9, body extent -1.8,-0.82 1.8,0.83, height 0.95
SOIC8 [mm]
  rect 1.65x0.6 smd: 1(-2.825,1.905) 2(-2.825,0.635) 3(-2.825,-0.635) 4(-2.825,-1.905) 5(2.825,-1.905) 6(2.825,-0.635) 7(2.825,0.635) 8(2.825,1.905)
  silkscreen extent -2.95,-2.5 1.6,2.88, body extent -3,-2.45 3,2.45, height 1.7
SOT-23 [mm] "SOT95P280X145-6N"
  rect 1x0.6 smd: 1(-1.375,0.95) 2(-1.375,0) 3(-1.375,-0.95) 4(1.375,-0.95) 5(1.375,0) 6(1.375,0.95)
  silkscreen extent -1.5,-1.4 0.5,1.92, body extent -1.16,-1.4 1.26,1.39, height 1.09
SOT-23-3 [mm] "SOT95P280X145-6N"
  rect 1x0.7 smd: 1(-1.2,0.95) 2(-1.2,-0.95) 3(1.2,0)
  silkscreen extent -0.5,-1.4 0.5,1.4, body extent -1.25,-1.5 1.25,1.5, height 1.1
SOT-223 [mm]
  rect 1.4x1.7 smd: 1(-2.3,0) 2(0,0) 3(2.3,0)
  rect 4x1.7 smd: 4(0.15,6.5)
  silkscreen extent -3.25,1.55 3.27,4.8, body extent -3.25,-0.35 3.25,6.65, height 1.64
SparkFun [mm]
  rect 1.6x1.6 hole 1: 1(-8.89,0)
  round 1.6 hole 1: 2(-6.35,0) 3(-3.81,0) 4(-1.27,0) 5(1.27,0) ""(3.81,0) ""(6.35,0) ""(8.89,0)
  round 5.5 hole 2.75: ""(-12.236,26.799) ""(12.236,26.799)
  silkscreen extent -15.12,-1.33 15.25,29.9, body extent -15.85,-1.3 20.4,30.45, height 16.22

## Part data
1 2 3 4 5 6 7 8 9 10 11 12 13 14 15 16 17 18 19 20 21 22 23 24 25 26 27 28 29 30 31 32 33 34 35 36 37 38 39 40 41 42 43 44 45 46 47 48 49 50 51 52 53 54 55 56 57: library part TestPoint, "Test point"
  1: Наименование=RX
  2: Наименование=TX
  3: Наименование=SERVO3
  4: Наименование=SERVO1
  5: Наименование=SERVO2
  6: Наименование=1_1
  7: Наименование=E1
  8: Наименование=1_2
  9: Наименование=E1_INT
  10: Наименование=PWM1
  11: Наименование=2_1
  12: Наименование=PWM2
  13: Наименование=E2
  14: Наименование=2_2
  15: Наименование=E2_INT
  16: Наименование=PH1
  17: Наименование=3_1
  18: Наименование=E3
  19: Наименование=PH2
  20: Наименование=3_2
  21: Наименование=E3_INT
  22: Наименование=CURRENT1
  23: Наименование=4_1
  24: Наименование=E4
  25: Наименование=4_2
  26: Наименование=E4_INT
  27: Наименование=CURRENT2
  28: Наименование=RX_CAMERA
  29: Наименование=TX_CAMERA
  30: Наименование=TX_GYRO
  31: Наименование=RX_GYRO
  32: Наименование=P1
  33: Наименование=P2
  34: Наименование=BALL
  35: Наименование=SWITCH1
  36: Наименование=SWITCH2
  37: Наименование=SDA1
  38: Наименование=SCL1
  39: Наименование=XSH1
  40: Наименование=XSH2
  41: Наименование=XSH3
  42: Наименование=XSH4
  43: Наименование=SWITCH3
  44: Наименование=SWITCH4
  45: Наименование=RX_STLINK
  46: Наименование=TX_STLINK
  47: Наименование=LS_1
  48: Наименование=LS_4
  49: Наименование=LS_2
  50: Наименование=LS_5
  51: Наименование=LS_3
  52: Наименование=PWM_L
  53: Наименование=SCL2
  54: Наименование=SDA3
  55: Наименование=LS_6
  56: Наименование=SDA2
  57: Наименование=SCL3
C1 C2 C3 C4 C5 C6 C7 C8 C9 C10 C11 C12 C13 C14 C15 C16 C17 C18 C19 C20 C21 C22 C23 C24 C25 C26 C27 C28 C29 C30 C31 C32 C33 C34 C35 C36 C37 C38 C39 C40 C41 C42 C43 C44 C45 C46 C47 C48 C49 C50 C51 C52 C53 C54 C55 C56 C57 C58: library part Конденсатор, Value2=50В
  C1 C4 C5 C6 C7 C10 C11 C12 C13 C14 C15 C16 C17 C18 C19 C20 C21 C22 C23 C24 C25 C26 C29 C30 C31 C32 C33 C34 C35 C36 C37 C38 C39 C40 C41 C42 C43 C44 C45 C46 C47 C48 C50 C51 C52 C53 C54 C55 C56 C57 C58: Value1=0,1мк
  C2 C3: Value1=2,2мк
  C8 C9: Value1=12
  C27 C28: Value1=20
  C49: Value1=100мк
DA1: "Усилитель"
DD1: "Микроконтроллер 32-хразрядный", Manufacturer=STMicroelectronics, Package=LQFP144, Name=STM32F407ZGT6
DD2 DD3 DD4 DD5 DD6 DD7 DD8 DD9 DD10 DD14 DD15 DD16 DD17 DD18 DD19 DD20 DD21 DD22 DD23 DD25 DD26 DD27 DD28: "ESD защита"
DD11: library part OLED_display
DD12: library part "OPENMV Camera"
DD13: library part "SparkFun IMU"
DD24: "Микроконтроллер", Наименование=STM32F103CB, Производитель=STMicroelectronics
DD29: library part LM1117_fixed, "Стабилизатор напряжения"
FU1 FU2 FU3: library part Предохранитель
R1 R12 R13 R14 R15 R20 R28 R29 R30 R35 R36 R37 R38 R43 R44 R47 R63 R64 R65 R66 R67 R68 R70 R74 R75 R76 R77 R78 R79: library part "Сборка резисторов"
R2 R3 R4 R5 R10 R11 R18 R19 R45 R46 R48 R49 R54 R55 R56 R57 R58 R59 R69 R71 R80 R81 R82 R83 R84 R86: library part "Резистор 0.125 Вт"
R6 R7 R8 R9 R16 R17 R21 R22 R23 R24 R25 R26 R27 R31 R32 R33 R34 R39 R40 R41 R42 R50 R51 R52 R53 R60 R61 R62 R72 R73 R85: library part "Резистор 0.05 Вт"
SB1: library part "Замыкающий контакт", Name="2,5*3*6mm H DIP"
SB2 SB3 SB4: library part Кнопка, Name=5GSH935+1SS09-10.4
VD1 VD2: library part LED1
  VD1: Name=BLUE
  VD2: Name=GREEN
VD3 VD4 VD7 VD11: library part "Диод Шоттки"
  VD3 VD4 VD11: Name=MBR2H100SFT3G
  VD7: Name=BAT60JFILM
VD5 VD6 VD8 VD10 VD12 VD13: library part Светодиод_2
  VD5: Color=GREEN
  VD6: Color=BLUE
  VD8 VD13: Color=YELLOW
  VD10 VD12: Color=RED
VD9 VD14: library part "TVS Диод"
  VD9: Name=MM3Z3V3B
  VD14: Name=MMSZ5231B-TP
VT1 VT2 VT3 VT4: library part P-MOSFET, "P-MOSFET", Name=IRLML2244TRPBF
VT5: library part "NPN Транзистор", Name=9013
X1 X15: library part "Разъем 6", "6 вилка", Contact_1=+3,3В, Contact_2=SWCLK, Contact_3=GND, Contact_4=SWDIO, Contact_5=RST, Contact_6=TRACESWO, Name=PLS-6
X2 X3 X8 X9 X10: library part "Разъем 8", "3 вилка", Contact_3=GND
  X2: Contact_1=+3,3В, Contact_2=BOOT0, Name=PLS-3
  X3: Contact_1=+3,3В, Contact_2=BOOT1, Name=PLS-3
  X8 X9: Contact_1=VCC, Contact_2=SIGNAL, Name="JST PH2.0-3"
  X10: Contact_1=SIGNAL, Contact_2=VCC, Name="JST PH2.0-3"
X4 X5 X18: library part "Разъем 24", "20 розетка"
  X4: Contact_1=+3,3В, Contact_2=+3,3В, Contact_3=+3,3В, Contact_4=+5В, Contact_5=GND, Contact_6=+5В, Contact_7=GND, Contact_8=GND, Contact_9=MCU_RX, Contact_10=MCU_TX, Contact_11=BUTTON2, Contact_12=SERVO2, Contact_13=BUTON1, Contact_14=SERVO1, Contact_15=PWM1, Contact_16=CURRENT2, Contact_17=PH1, Contact_18=PH2, Contact_19=CURRENT1, Contact_20=PWM2, Name=PBS-20
  X5: Contact_1=+3,3В, Contact_2=+3,3В, Contact_3=MOTOR1_IN1, Contact_4=MOTOR1_IN2, Contact_5=MOTOR2_IN1, Contact_6=MOTOR2_IN2, Contact_7=MOTOR3_IN1, Contact_8=MOTOR3_IN2, Contact_9=MOTOR4_IN1, Contact_10=MOTOR4_IN2, Contact_11=ENC1, Contact_12=ENC_INT1, Contact_13=ENC2, Contact_14=ENC_INT2, Contact_15=ENC3, Contact_16=ENC_INT3, Contact_17=ENC4, Contact_18=ENC_INT4, Contact_19=GND, Contact_20=SERVO3, Name=PBS-20
  X18: Contact_1=GND, Contact_2=GND, Contact_3=GND, Contact_4=+3,3В, Contact_5=N/C, Contact_6=LIGHT_SENSOR1, Contact_7=LIGHT_SENSOR2, Contact_8=LIGHT_SENSOR3, Contact_9=LIGHT_SENSOR4, Contact_10=LIGHT_SENSOR5, Contact_11=LIGHT_SENSOR6, Contact_12=I2C2_SDA, Contact_13=I2C2_SCL, Contact_14=I2C3_SDA, Contact_15=I2C3_SCL, Contact_16=PWM_LIGHT, Contact_17=+3,3В, Contact_18=GND, Contact_19=GND, Contact_20=GND, Name=FPC-20
X6 X7 X19 X20: library part "Разъем 2", "2 вилка", Contact_1=VCC, Contact_2=SIGNAL, Name="JST PH2.0-2"
X11 X12 X13 X14: library part "Разъем 5", "6 розетка", Contact_1=VDD, Contact_2=VIN, Contact_3=GND, Contact_4=SDA, Contact_5=SCL, Contact_6=XSHUT, Name=CLIK-Mate-6
X16: library part "Разъем 11", "5 розетка", Contact_1=VCC, Contact_2=D-, Contact_3=D+, Contact_4=ID, Contact_5=GND, Name=Micro-USB
X17 X21 X22: library part "Разъем 18", "12 вилка", Name=PLS-12
  X17: Contact_1=PG6, Contact_2=PA7, Contact_3=PD10, Contact_4=PB13, Contact_5=PE15, Contact_6=PE14, Contact_7=PBE13, Contact_8=PE10, Contact_9=PE8, Contact_10=PD0, Contact_11=PG1, Contact_12=PE7
  X21: Contact_1=PG15, Contact_2=PB8, Contact_3=PE4, Contact_4=PB9, Contact_5=PF2, Contact_6=PC13, Contact_7=PF11, Contact_8=PF12, Contact_9=PF13, Contact_10=PA7, Contact_11=PG0, Contact_12=N/C
  X22: Contact_1=PC7, Contact_2=PC8, Contact_3=PG8, Contact_4=PC6, Contact_5=PD6, Contact_6=PD4, Contact_7=PD3, Contact_8=PD2, Contact_9=PD1, Contact_10=PD0, Contact_11=PC11, Contact_12=PA15
X23: library part "Разъем 14", "10 вилка", Contact_1=+3,3В, Contact_2=+3,3В, Contact_3=+3,3В, Contact_4=+3,3В, Contact_5=+5В, Contact_6=+5В, Contact_7=GND, Contact_8=GND, Contact_9=GND, Contact_10=GND, Name=PLS-10
Z1: library part Quartz, "Кварцевый резонатор", Value1=12МГц
Z2: library part Quartz, "Кварцевый резонатор", Value1=8МГц

## Free pads (board coordinates)
  round 6.2 hole 2.7: ""(-45.573,19.316) ""(-39.121,-28.734) ""(-10.622,-10.734) ""(-10.571,73.318) ""(11.429,73.318) ""(39.879,-28.734) ""(46.428,19.316)

## Via types
v1: diameter 0.6, hole 0.3, Top Layer to Bottom Layer, tented both sides, 475 vias
v2: diameter 1.1, hole 0.5, Top Layer to Bottom Layer, tented both sides, 16 vias